# Altium PCB PCB1.PcbDoc (part 2 of 2)
Units mil, origin at the board's own origin, x right, y up, seen from the top; angles counter-clockwise.
Board outline 3937.01 x 1968.5 mil, 4 copper layers (Top Layer, Layer 1, Layer 2, Bottom Layer), stack 63.78 mil thick; 227 components, 132 nets, 1054 pads, 206 vias.
Unrouted connection lines stored in the file: 3.
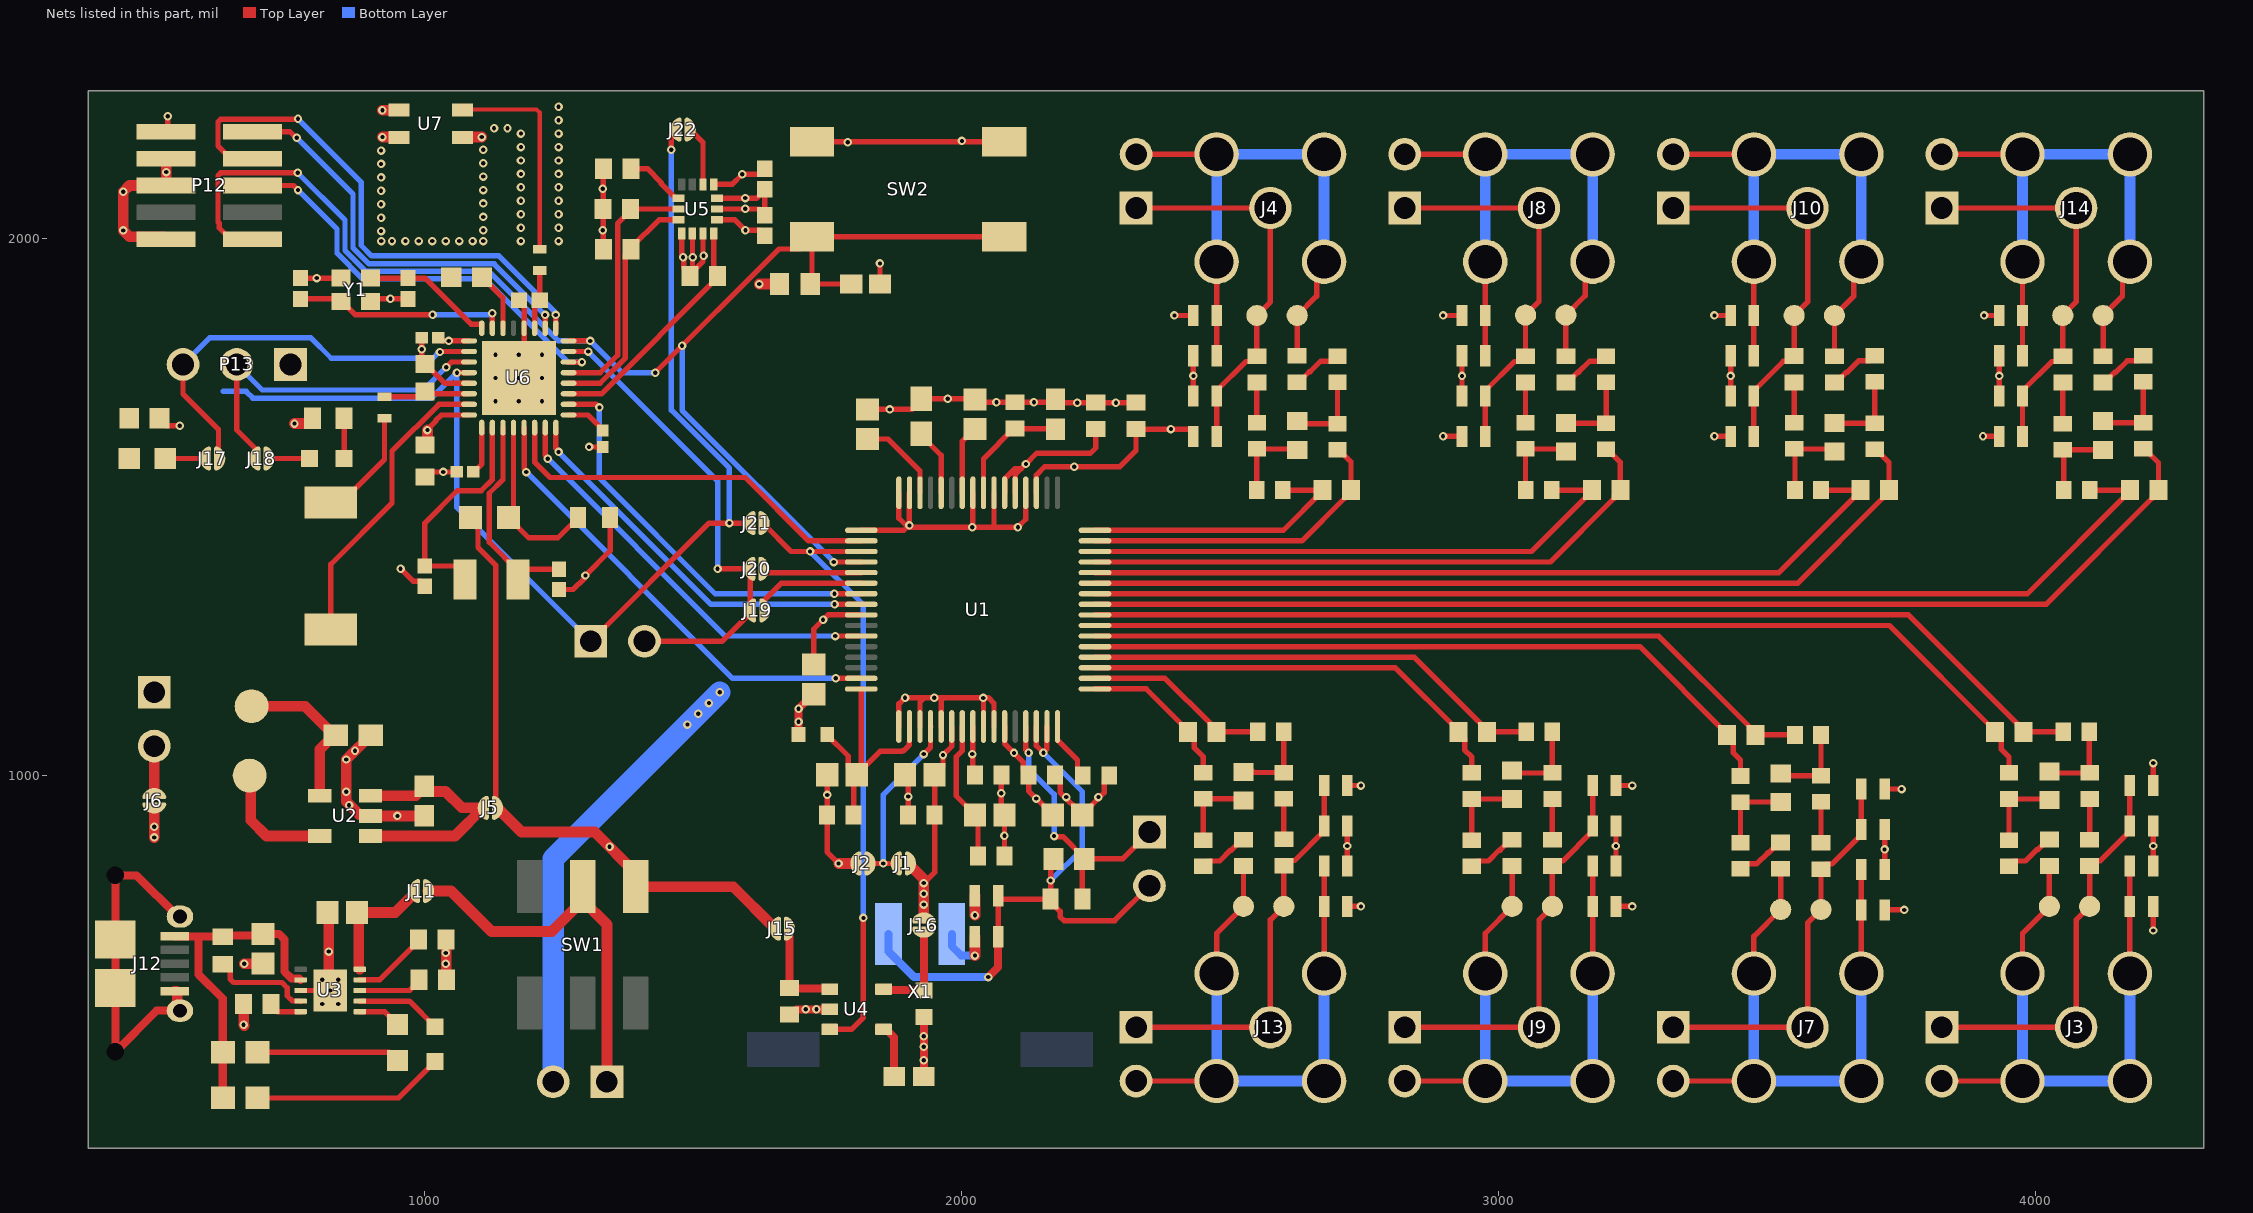
[diagram p4: the nets of this part, all layers, seen from the top]

## Part data (continued)
Y1: library part CMP-06858-000005-1, "CRYSTAL 32.0000MHZ 10PF SMD", Case/Package=SMD/SMT, ESR (Equivalent Series Resistance)=100R, Frequency Stability=10ppm, Load Capacitance=10pF, Max Operating Temperature=70°C, Min Operating Temperature=-20°C, Package Quantity=3000, Contact Plating=Gold, Frequency=32MHz, Frequency Tolerance=10ppm, Height=0.022inch, Length=0.079inch, Mount="Surface Mount", Packaging="Tape and Reel", Series Resistance=100R, Termination=SMD/SMT, Tolerance=10ppm, Width=0.063inch
Y2: library part CMP-40224-000012-1, "CRYSTAL 32.768KHZ 7PF SMD", Load Capacitance=7pF, Manufacturer="ECS Inc.", Manufacturer Part Number=ECS-.327-7-34R-TR, Package=ECX-34R, Temperature="-40°C to +85°C", Temperature Range High=+85°C, Temperature Range Low=-40°C, Tolerance=20ppm, Automotive=No, Category=Crys, ComponentLink2Description=Datasheet, ComponentLink2URL=http://www.ecsxtal.com/store/pdf/ECX_34R.pdf, Device Class L1="Passive Components", Device Class L2="Crystals / Oscillators", Device Class L3=Crystals, Digikey Description="CRYSTAL 32.768KHZ 7PF SMD", Esr=50kΩ, Frequency=32.768kHz, Height=0.9mm, Lead Free=Yes, Mouser Description="Crystals 32.768kHz 7pF 20ppm", Octopart=https://octopart.com/ecs-.327-7-34r-tr-ecs+international-71119730, RoHS=TRUE, Series=ECX-34R

## Via types
v1: diameter 15.75, hole 7.87, Top Layer to Bottom Layer, 197 vias
v2: diameter 19.68, hole 7.87, Top Layer to Bottom Layer, 9 vias

## Nets (pads, with @x,y where several pads share a name; then routed paths per layer and width w, separated by ;. In a path a pad name is that pad's centre, name@x,y a point inside that pad or via, vN(x,y) a via of type N, cw(c..) or ccw(c..) an arc to the next point about the centre after c; other vN are vias at no path point)
AGND: C9.1 C15.1 C16.2 C17.1 C18.2 C19.1 C20.1 C21.2 C42.1 C43.1 C44.1 C45.1 C46.1 C47.1 C48.1 C49.1 C50.1 C51.1 C52.2 C53.2 C54.1 C55.1 C56.2 C57.2 C58.2 C59.1 C60.1 C61.2 C62.2 C63.2 C64.2 C65.1 C66.1 C67.2 C68.1 C69.1 C70.1 C71.2 C72.1 D1.2 D3.2 D4.2 D5.2 D6.2 D11.2 D12.2 D13.2 D14.2 D19.2 D20.2 D21.2 D22.2 D27.2 D28.2 D29.2 D30.2 J2.1 J12.5 J12.Shell P9.2 P12.3 P12.5 P12.9 P13.1 R37.1 R38.1 R39.1 R40.2 R43.2 SW2.3 SW2.4 U1.20 U1.23 U1.25 U1.31 U1.32 U1.33 U1.41 U1.49 U1.51 U1.53 U1.57 U1.58 U2.2 U3.3 U3.11 U4.2 U5.1 U5.2 U5.3 U5.6 U5.7 U6.20 U6.29 U6.33 U7.2 U7.3 U7.4 X1.2 Y1.2 Y1.4 | length 7811.2
  Top Layer w10: C59.1@769.74,1926.02 Y1.4@844.74,1926.02 ; U3.3@769.88,600 v1(825,600) ; Y1.2@899.86,1882.72 904.59,1887.44 C60.1@969.74,1887.44 ; v1(956.02,1385.26) 979.62,1361.66 992.79,1361.66 1001.02,1353.42 C61.2@1001.02,1352.57 ; C70.1@995.32,1815.26 v1(995.32,1793.7) 995.32,1772.15 C68.1@1001.02,1766.44 1002.01,1766.44 1038.03,1730.41 U6.29@1083.5,1730.41 ; C71.2@1001.02,1556.2 1010.08,1565.26 C66.1@1060.67,1565.26 ; v2(1176.02,1740.26) 1185.87,1750.1 U6.20@1185.87,1832.78 1185.87,1875.83 1176.69,1885 C65.1@1176.42,1885 ; C62.2@1251.02,1346.41 1277.18,1346.41 1298.9,1368.13 1298.9,1371.4 1346.02,1418.52 1346.02,1479.78 R43.2@1345.55,1480.26 ; v1(1306.79,1611.79) C69.1@1332.5,1611.79 ; v1@1479.55,1965 U5.1@1479.55,2008.92 ; v1(1481.81,1965) 1482.91,1963.9 1482.91,1945.04 R40.2@1495,1932.95 ; R40.2@1495,1930 R40.2@1495,1932.95 ; U5.2@1499.23,2008.92 R40.2@1499.23,1937.18 ; U5.3@1518.92,2008.92 1518.92,1956.87 R40.2@1499.23,1937.18 ; U5.6@1545,2054.68 1623.44,2054.68 C63.2@1634.07,2044.06 ; U5.7@1545,2074.37 1618.13,2074.37 C64.2@1634.07,2090.31 ; C63.2@1634.07,2043.27 C63.2@1634.07,2044.06 ; C64.2@1634.07,2091.1 C64.2@1634.07,2090.31 ; SW2.4@1721.73,2180 SW2.3@2080,2180 v1@1788.37,2180 ; C50.1@1738.61,1220.22 C50.1@1725,1206.61 1725,1272.5 1751.63,1299.13 U1.41@1813.58,1299.13 ; C48.1@1750,1001.5 v1(1750,964) C49.1@1750,926.5 1750,857.74 v1(1771.37,836.37) ; U1.33@1813.58,1456.61 1892.56,1456.61 v1@1899.22,1463.28 ; C17.1@1825,1681.61 v1(1866.5,1681.61) 1907.99,1681.61 1925,1698.62 C21.2@1925,1701.5 v1(1974.31,1701.5) 2023.62,1701.5 C20.1@2025,1700.12 2030.12,1695 C15.1@2100,1695 v1(2134.87,1695) 2169.73,1695 C16.2@2175,1700.27 2181.05,1694.21 C43.1@2250,1694.21 v1(2287.5,1694.21) C42.1@2325,1694.21 ; C72.1@1848.31,1915 v1(1848.31,1953.31) ; U1.49@1883.46,1091.46 1883.46,1133.46 v1(1895,1145) 1931.25,1145 ; U1.32@1883.46,1526.5 1883.46,1479.04 v1@1899.22,1463.28 ; C46.1@1894.88,1001.5 1900.79,995.59 v1(1900.79,961.04) C47.1@1900.79,926.5 ; U1.31@1903.15,1526.5 v1(1903.15,1465.65) 1901.59,1465.65 v1@1899.22,1463.28 ; U1.51@1922.83,1091.46 1922.83,1136.58 1931.25,1145 ; U1.53@1962.2,1091.46 1962.2,1139.7 1967.5,1145 ; U1.25@2021.26,1526.5 2021.26,1463.76 v1(2020,1462.5) ; U1.57@2040.94,1091.46 2040.94,1144.06 v1@2040,1145 ; U1.58@2060.63,1091.46 2060.63,1134.37 2050,1145 v1@2040,1145 ; U1.23@2060.63,1526.5 2060.63,1464.37 2062.5,1462.5 ; C44.1@2074.21,1001.5 v1(2074.21,966.95) 2074.21,932.4 C19.1@2080.12,926.5 2080,926.38 v1(2080,888.19) C18.2@2080,850 ; U1.20@2119.68,1526.5 2119.68,1477.18 v1(2105,1462.5) 2062.5,1462.5 ; C45.1@2174.21,1001.5 2183.7,992.01 2183.7,968.78 C51.1@2225,927.48 ; C51.1@2225,926.5 C51.1@2225,927.48 ; C9.1@2275,1000 2265.79,990.79 2265.79,968.27 C51.1@2225,927.48 ; D6.2@2431.69,1706.5 v1(2431.69,1744) D5.2@2431.69,1781.5 ; D27.2@2718.31,756.5 v1(2743.5,756.5) ; D28.2@2718.31,981.5 v1(2743.5,981.5) ; D14.2@2931.69,1706.5 v1(2931.69,1744) D13.2@2931.69,1781.5 ; D19.2@3218.31,831.5 v1(3218.31,869) D20.2@3218.31,906.5 ; D22.2@3431.69,1706.5 v1(3431.69,1744) D21.2@3431.69,1781.5 ; D11.2@3718.31,825 v1(3718.31,862.5) D12.2@3718.31,900 ; D30.2@3931.69,1706.5 v1(3931.69,1744) D29.2@3931.69,1781.5 ; D3.2@4218.31,831.5 v1(4218.31,869) D4.2@4218.31,906.5 ; R40.2@1495,1932.95 R40.2@1499.23,1937.18 ; C63.2@1634.07,2044.06 C64.2@1634.07,2090.31 ; v1@1899.22,1463.28 1900,1462.5 v1(2020,1462.5) ; 1931.25,1145 1967.5,1145 ; 1967.5,1145 v1@2040,1145 ; v1(2020,1462.5) 2062.5,1462.5
  Top Layer w15: J12.Shell@545.28,562.4 501.77,562.4 J12.Shell@425,485.63 J12.Shell@425,604.72 J12.Shell@425,695.28 J12.Shell@425,814.37 464.57,814.37 541.34,737.6 J12.Shell@545.28,737.6 ; C56.2@1680,555.39 1682.95,555.39 1692.56,565 v1(1710,565) v1(1730,565) U4.2@1754.8,565 ; C57.2@1930,440 v1(1930,470) v1(1930,495.33) v1(1930,515) C58.2@1930,550.65
  Top Layer w20: P12.9@519.74,1998.52 515.18,2003.09 451.46,2003.09 v1(439.74,2014.81) v1(439.74,2086.81) 451.46,2098.52 P12.5@519.74,2098.52 P12.3@519.74,2148.52 ; J12.5@535.43,598.82 538.23,598.82 540.35,596.69 540.35,567.32 J12.Shell@545.28,562.4 ; R37.1@660,571.18 R37.1@663.82,575 v1(663.82,536.18) v1@665,535 ; v1(665,650) C54.1@700,650 ; C55.1@819.88,745 822.44,742.44 v1(822.44,672.5) 822.44,602.56 v1(825,600) ; C52.2@900,1075 897.13,1075 887.2,1065.08 887.2,1062.2 v1(871.1,1046.1) v1(855,1030) v1(855,970) 855,951.72 878.92,927.8 897.2,927.8 U2.2@900,925 v1(950,925) C53.2@1000,925 ; v1(922.24,2188.52) 952.6,2188.52 U7.3@953.19,2187.93 ; v1(922.24,2238.52) 952.6,2238.52 U7.2@953.19,2239.11 ; R39.1@1040.59,695 1040.89,694.7 1040.89,620.3 R38.1@1041.18,620 ; U7.4@1071.3,2187.93 1071.89,2188.52 v1(1107.24,2188.52) ; P9.2@1240,430 P9.2@1240,441.1 ; v1(1771.37,836.37) 1803.3,836.37 J2.1@1803.43,836.5 ; v1(2025,665) D1.2@2025,700
  Bottom Layer w15: X1.2@1982.03,705.35 1982.03,682.5 1999.53,665 v1(2025,665)
  Bottom Layer w40: P9.2@1240,430 1240,845 v1(1550,1155)
  other v1: 810,575 840,575 810,620 840,620 1040,650 1040,670 860,945 2195,960 2255,960 1490,1095 1510,1115 1530,1135 1949.38,1145 2040.47,1144.53 1742.5,1290 1300,1372.5 1035.37,1565.26 2215.53,1694.21 2065.06,1695 937.17,1887.44 799.74,1926.02 1500,1965 1520,1967.5 920,1995 940,1995 965,1995 990,1995 1015,1995 1040,1995 1065,1995 1090,1995 1110,1995 1180,1995 1250,1995 919.74,2013.52 1110,2015 1180,2020 1250,2020 919.74,2038.52 1110,2040 1180,2045 1250,2045 1597.5,2055 919.74,2063.52 1110,2065 1180,2070 1250,2070 1597.5,2075 919.74,2088.52 1110,2090 1180,2095 1250,2095 919.74,2113.52 1110,2115 1180,2120 1250,2120 519.74,2123.52 919.74,2138.52 1110,2140 1180,2145 1250,2145 919.74,2163.52 1110,2165 1180,2170 1250,2170 1788.37,2178.92 2000.87,2181.42 1180,2195 1250,2195 1130,2205 1155,2205 1250,2220 1250,2245
  other v2: 1132.72,1696.95 1176.02,1696.95 1219.33,1696.95 1132.72,1740.26 1219.33,1740.26 1132.72,1783.56 1176.02,1783.56 1219.33,1783.56
Antenna: L2.2 U7.1 | length 400.6
  Top Layer w8: U7.1@1071.3,2239.11 1072.18,2240 1209.14,2240 1215,2234.14 L2.2@1215,1980
AVCC: C42.2 C43.2 C44.2 C45.2 C46.2 C47.2 C50.2 C51.2 D2.1 D7.1 D8.1 D9.1 D10.1 D15.1 D16.1 D17.1 D18.1 D23.1 D24.1 D25.1 D26.1 D31.1 D32.1 D33.1 D34.1 FB1.2 J1.2 J16.2 U1.19 U1.21 U1.22 U1.54 U1.56 U1.59 | length 2055.9
  Top Layer w10: v1(1930,800) 1950,820 C47.2@1950,926.5 C46.2@1950,1001.5 1965.67,1017.17 v1(1965.67,1038.15) 1981.89,1054.37 U1.54@1981.89,1091.46 ; U1.56@2021.26,1091.46 2021.26,1005.24 C44.2@2025,1001.5 ; U1.59@2080.31,1091.46 2080.31,1059.69 2115.24,1024.76 2115.24,1011.26 C45.2@2125,1001.5 2125,971.38 2153.23,943.15 2154.21,943.15 2169.88,927.48 C51.2@2169.88,926.5 ; U1.22@2080.31,1526.5 2080.31,1551.93 2099.64,1571.25 2111.25,1571.25 ; U1.21@2100,1526.5 2100,1560 2111.25,1571.25 ; U1.19@2139.37,1526.5 2139.37,1559.37 2155,1575 2295,1575 2325,1605 C42.2@2325,1645 2426.85,1645 2431.69,1640.16 D10.1@2431.69,1631.5 ; C43.2@2250,1645 2250,1610 2240,1600 2140,1600 v1(2120,1580) 2111.25,1571.25 ; v1(2396.5,1856.5) D9.1@2431.69,1856.5 ; D31.1@2718.31,831.5 D32.1@2718.31,906.5 ; v1(2896.5,1631.5) D18.1@2931.69,1631.5 ; v1(2896.5,1856.5) D17.1@2931.69,1856.5 ; D23.1@3218.31,756.5 v1(3248.5,756.5) ; D24.1@3218.31,981.5 v1(3248.5,981.5) ; v1(3401.5,1631.5) D26.1@3431.69,1631.5 ; v1(3401.5,1856.5) D25.1@3431.69,1856.5 ; D15.1@3718.31,750 v1(3755,750) ; D16.1@3718.31,975 v1(3750,975) ; v1(3901.5,1631.5) D34.1@3931.69,1631.5 ; v1(3903.5,1856.5) D33.1@3931.69,1856.5 ; v1(4218.31,711.69) D7.1@4218.31,756.5 ; D8.1@4218.31,981.5 v1(4218.31,1023.31)
  Top Layer w15: FB1.2@1696.85,1076.5 v1(1696.85,1124.33) 1724.02,1151.5 C50.2@1725,1151.5
  Top Layer w20: J1.2@1904.8,836.5 1904.8,832.54 1930,807.34 v1(1930,800) v1(1930,780) v1(1930,760) J16.2@1930,735.1 J16.2@1930,735 ; v1(2025,740) D2.1@2025,776.5
  other v1: 2718.31,869 2139.11,957.26 2020,1040 2097.78,1042.22 1696.85,1100.41 2210,1575 2390,1645
INT1: R40.1 U5.4 U6.11 | length 452.2
  Top Layer w10: U6.11@1268.54,1710.73 1329.86,1710.73 1546.18,1927.05 R40.1@1546.18,1930 1538.6,1937.58 U5.4@1538.6,2008.92
INT2: J22.2 U5.9 | length 111.9
  Top Layer w10: J22.2@1495.18,2202.5 1518.92,2178.76 U5.9@1518.92,2100.45
Net*1_1: *1.1 C1.1 D6.1 D10.2 J4.1 P3.1 | length 722.6
  Top Layer w10: P3.1@2325,2056.5 J4.1@2575,2056.5 2575,1881.5 *1.1@2550,1856.5 C1.1@2550,1780.71 2540.24,1770.94 2529.61,1770.94 2475,1716.34 D6.1@2475,1706.5 D10.2@2475,1631.5
Net*7_1: *7.1 C4.1 D5.1 D9.2 J4.2 J4.3 J4.4 J4.5 P3.2 | length 1120.7
  Top Layer w10: P3.2@2325,2156.5 J4.5@2475,2156.5 ; D5.1@2475,1781.5 D9.2@2475,1856.5 J4.2@2475,1956.5 ; C4.1@2625,1781.5 *7.1@2625,1856.5 2661.09,1892.59 2661.09,1942.59 J4.3@2675,1956.5
  Bottom Layer w20: J4.2@2475,1956.5 J4.5@2475,2156.5 J4.4@2675,2156.5 J4.3@2675,1956.5
Net*14_1: *14.1 C5.1 D14.1 D18.2 J8.1 P6.1 | length 722.6
  Top Layer w10: P6.1@2825,2056.5 J8.1@3075,2056.5 3075,1882.28 *14.1@3050,1857.28 C5.1@3050,1780.71 3040.24,1770.94 3029.61,1770.94 2975,1716.34 D14.1@2975,1706.5 D18.2@2975,1631.5
Net*19_1: *19.1 C8.1 D13.1 D17.2 J8.2 J8.3 J8.4 J8.5 P6.2 | length 1121.5
  Top Layer w10: P6.2@2825,2156.5 J8.5@2975,2156.5 ; D13.1@2975,1781.5 D17.2@2975,1856.5 J8.2@2975,1956.5 ; C8.1@3125,1780.71 *19.1@3125,1857.28 3161.09,1893.38 3161.09,1942.59 J8.3@3175,1956.5
  Bottom Layer w20: J8.2@2975,1956.5 J8.5@2975,2156.5 J8.4@3175,2156.5 J8.3@3175,1956.5
Net*20_1: *20.1 C10.1 D22.1 D26.2 J10.1 P8.1 | length 722.4
  Top Layer w10: P8.1@3325,2056.5 J10.1@3575,2056.5 3575,1881.5 *20.1@3550,1856.5 C10.1@3550,1781.1 3540.24,1771.34 3530,1771.34 3475,1716.34 D22.1@3475,1706.5 D26.2@3475,1631.5
Net*21_1: *21.1 C13.1 D21.1 D25.2 J10.2 J10.3 J10.4 J10.5 P8.2 | length 1121.5
  Top Layer w10: P8.2@3325,2156.5 J10.5@3475,2156.5 ; D21.1@3475,1781.5 D25.2@3475,1856.5 J10.2@3475,1956.5 ; C13.1@3625,1780.71 *21.1@3625,1856.5 3661.09,1892.59 3661.09,1942.59 J10.3@3675,1956.5
  Bottom Layer w20: J10.2@3475,1956.5 J10.5@3475,2156.5 J10.4@3675,2156.5 J10.3@3675,1956.5
Net*22_1: *22.1 C22.1 D30.1 D34.2 J14.1 P11.1 | length 722.6
  Top Layer w10: P11.1@3825,2056.5 J14.1@4075,2056.5 4075,1881.5 *22.1@4050,1856.5 C22.1@4050,1780.71 4040.24,1770.94 4029.61,1770.94 3975,1716.34 D30.1@3975,1706.5 D34.2@3975,1631.5
Net*23_1: *23.1 C25.1 D29.1 D33.2 J14.2 J14.3 J14.4 J14.5 P11.2 | length 1121.5
  Top Layer w10: P11.2@3825,2156.5 J14.4@3975,2156.5 ; D29.1@3975,1781.5 D33.2@3975,1856.5 J14.5@3975,1956.5 ; C25.1@4125,1780.71 *23.1@4125,1856.5 4161.09,1892.59 4161.09,1942.59 J14.2@4175,1956.5
  Bottom Layer w20: J14.5@3975,1956.5 J14.4@3975,2156.5 J14.3@4175,2156.5 J14.2@4175,1956.5
Net*24_1: *24.1 C26.1 D4.1 D8.2 J3.1 P2.1 | length 747.2
  Top Layer w10: P2.1@3825,531.5 J3.1@4075,531.5 4075,731.5 *24.1@4100,756.5 C26.1@4100,831.5 4109.76,841.26 4119.61,841.26 4175,896.65 D4.1@4175,906.5 D8.2@4175,981.5
Net*25_1: *25.1 C29.1 D3.1 D7.2 J3.2 J3.3 J3.4 J3.5 P2.2 | length 1171.1
  Top Layer w10: P2.2@3825,431.5 J3.4@3975,431.5 ; J3.3@3975,631.5 3975,706.5 *25.1@4025,756.5 C29.1@4025,831.89 ; J3.2@4175,631.5 D7.2@4175,756.5 D3.1@4175,831.5
  Bottom Layer w20: J3.3@3975,631.5 J3.4@3975,431.5 J3.5@4175,431.5 J3.2@4175,631.5
Net*26_1: *26.1 C30.1 D12.1 D16.2 J7.1 P5.1 | length 741.2
  Top Layer w10: P5.1@3325,531.5 J7.1@3575,531.5 3575,725.79 *26.1@3600,750.79 C30.1@3600,825.79 3609.76,835.55 3620.39,835.55 3675,890.16 D12.1@3675,900 D16.2@3675,975
Net*27_1: *27.1 C33.1 D11.1 D15.2 J7.2 J7.3 J7.4 J7.5 P5.2 | length 1159.3
  Top Layer w10: P5.2@3325,431.5 J7.4@3475,431.5 ; J7.3@3475,631.5 3475,700.79 *27.1@3525,750.79 C33.1@3525,826.57 ; J7.2@3675,631.5 D15.2@3675,750 D11.1@3675,825
  Bottom Layer w20: J7.3@3475,631.5 J7.4@3475,431.5 J7.5@3675,431.5 J7.2@3675,631.5
Net*28_1: *28.1 C34.1 D20.1 D24.2 J9.1 P7.1 | length 747.2
  Top Layer w10: P7.1@2825,531.5 J9.1@3075,531.5 3075,731.5 *28.1@3100,756.5 C34.1@3100,831.5 3109.76,841.26 3119.61,841.26 3175,896.65 D20.1@3175,906.5 D24.2@3175,981.5
Net*29_1: *29.1 C37.1 D19.1 D23.2 J9.2 J9.3 J9.4 J9.5 P7.2 | length 1170.7
  Top Layer w10: P7.2@2825,431.5 J9.4@2975,431.5 ; J9.3@2975,631.5 2975,706.5 *29.1@3025,756.5 C37.1@3025,831.5 ; J9.2@3175,631.5 D23.2@3175,756.5 D19.1@3175,831.5
  Bottom Layer w20: J9.3@2975,631.5 J9.4@2975,431.5 J9.5@3175,431.5 J9.2@3175,631.5
Net*30_1: *30.1 C38.1 D28.1 D32.2 J13.1 P10.1 | length 747.6
  Top Layer w10: P10.1@2325,531.5 J13.1@2575,531.5 2575,731.5 *30.1@2600,756.5 C38.1@2600,832.28 2609.76,842.05 2620.39,842.05 2675,896.65 D32.2@2675,906.5 D28.1@2675,981.5
Net*31_1: *31.1 C41.1 D27.1 D31.2 J13.2 J13.3 J13.4 J13.5 P10.2 | length 1170.7
  Top Layer w10: P10.2@2325,431.5 J13.4@2475,431.5 ; J13.3@2475,631.5 2475,706.5 *31.1@2525,756.5 C41.1@2525,831.5 ; J13.2@2675,631.5 D27.1@2675,756.5 D31.2@2675,831.5
  Bottom Layer w20: J13.3@2475,631.5 J13.4@2475,431.5 J13.5@2675,431.5 J13.2@2675,631.5
NetC1_2: C1.2 R2.2 | length 75
  Top Layer w10: R2.2@2550,1656.5 C1.2@2550,1731.5
NetC2_1: C2.1 R3.1 U1.15 | length 604.4
  Top Layer w10: U1.15@2248.62,1436.93 2633.93,1436.93 2713.27,1516.27 2713.27,1519.76 C2.1@2725,1531.5 2725,1584 2702.5,1606.5 R3.1@2700,1606.5
NetC2_2: C2.2 R1.1 U1.16 | length 528.8
  Top Layer w10: U1.16@2248.62,1456.61 2598.94,1456.61 2671.85,1529.53 C2.2@2671.85,1531.5 R1.1@2598.46,1531.5
NetC3_1: C3.1 R3.2 R4.1 | length 154.3
  Top Layer w10: C3.1@2625,1659.65 2629.69,1654.95 R3.2@2700,1654.95 R4.1@2700,1732.27
NetC3_2: C3.2 R1.2 R2.1 | length 152.2
  Top Layer w10: R1.2@2550,1531.5 R2.1@2550,1608.04 2623.46,1608.04 C3.2@2625,1606.5
NetC4_2: C4.2 R4.2 | length 95.1
  Top Layer w10: C4.2@2625,1732.28 2627.95,1732.28 2647.4,1751.73 2648.93,1751.73 2668.45,1771.25 2690.53,1771.25 R4.2@2700,1780.72
NetC5_2: C5.2 R6.2 | length 75
  Top Layer w10: R6.2@3050,1656.5 C5.2@3050,1731.5
NetC6_1: C6.1 R7.1 U1.13 | length 1123.7
  Top Layer w10: U1.13@2248.62,1397.56 3096.13,1397.56 3214.84,1516.27 3214.84,1519.76 C6.1@3226.57,1531.5 3226.57,1583.19 3202.5,1607.27 R7.1@3200,1607.27
NetC6_2: C6.2 R5.1 U1.14 | length 1048.3
  Top Layer w10: U1.14@2248.62,1417.24 3061.14,1417.24 3173.43,1529.53 C6.2@3173.43,1531.5 R5.1@3098.46,1531.5
NetC7_1: C7.1 R7.2 R8.1 | length 151.9
  Top Layer w10: C7.1@3125,1656.5 3125.77,1655.72 R7.2@3200,1655.72 R8.1@3200,1732.27
NetC7_2: C7.2 R5.2 R6.1 | length 153.5
  Top Layer w10: R5.2@3050,1531.5 R6.1@3050,1608.04 3120.31,1608.04 C7.2@3125,1603.35
NetC8_2: C8.2 R8.2 | length 95.4
  Top Layer w10: C8.2@3125,1731.5 3127.95,1731.5 3147.4,1750.94 3148.93,1750.94 3169.24,1771.25 3190.53,1771.25 R8.2@3200,1780.72
NetC9_2: C9.2 U1.64 | length 110.9
  Top Layer w10: U1.64@2178.74,1091.46 2178.74,1066.26 2216.02,1028.98 2216.02,1009.76 C9.2@2225.79,1000
NetC10_2: C10.2 R10.2 | length 75.4
  Top Layer w10: R10.2@3550,1656.5 C10.2@3550,1731.89
NetC11_1: C11.1 R11.1 U1.11 | length 1640
  Top Layer w10: U1.11@2248.62,1358.19 3556.76,1358.19 3714.84,1516.27 3714.84,1519.76 C11.1@3726.57,1531.5 3726.57,1583.19 3702.5,1607.27 R11.1@3700,1607.27
NetC11_2: C11.2 R9.1 U1.12 | length 1563
  Top Layer w10: U1.12@2248.62,1377.87 3521.77,1377.87 3673.43,1529.53 C11.2@3673.43,1531.5 R9.1@3600,1531.5
NetC12_1: C12.1 R11.2 R12.1 | length 152.6
  Top Layer w10: C12.1@3625,1656.5 3625.77,1655.72 R11.2@3700,1655.72 R12.1@3700,1733.04
NetC12_2: C12.2 R9.2 R10.1 | length 154.1
  Top Layer w10: R9.2@3551.54,1531.5 3551.54,1606.5 R10.1@3550,1608.04 3620.31,1608.04 C12.2@3625,1603.35
NetC13_2: C13.2 R12.2 | length 95.7
  Top Layer w10: C13.2@3625,1731.5 3627.95,1731.5 3647.4,1750.94 3648.93,1750.94 3670.01,1772.03 3690.53,1772.03 R12.2@3700,1781.5
NetC14_1: C14.1 D1.1 D2.2 P1.2 R13.1 U1.62 U1.63 X1.1 | length 1202.3
  Top Layer w10: D1.1@2068.31,700 D2.2@2068.31,776.5 ; D2.2@2073.15,770 R13.1@2165.94,770 ; U1.62@2139.37,1091.46 2139.45,1091.38 2139.45,1055.55 v1(2152.5,1042.5) 2159.06,1049.06 U1.63@2159.06,1091.46 ; C14.1@2171.46,845 2165.94,839.49 v1(2165.94,804.74) R13.1@2165.94,770 ; P1.2@2350,795 2285,730 2190.86,730 2183.79,737.07 2183.79,747.24 2165.94,765.08 R13.1@2165.94,770
  Top Layer w15: v1(2050,625) 2068.31,643.31 D1.1@2068.31,700
  Bottom Layer w10: v1(2152.5,1042.5) 2225,970 2225,863.8 v1(2165.94,804.74)
  Bottom Layer w15: X1.1@1863.92,705.35 1863.92,672.87 1911.79,625 v1(2050,625)
NetC14_2: C14.2 P1.1 R13.2 U1.61 | length 519.3
  Top Layer w10: U1.61@2119.68,1091.46 2119.68,1047.82 v1(2125,1042.5) ; v1(2172.5,887.5) 2173.6,886.4 2189.11,886.4 2228.54,846.97 C14.2@2228.54,845 ; R13.2@2225,770 2225,841.46 C14.2@2228.54,845 ; P1.1@2350,895 2300,845 C14.2@2228.54,845
  Bottom Layer w10: v1(2125,1042.5) 2125,1012.5 2172.5,965 v1(2172.5,887.5)
NetC15_2: C15.2 C16.1 U1.24 | length 220.8
  Top Layer w10: U1.24@2040.94,1526.5 2040.94,1589.68 2097.05,1645.79 C15.2@2100,1645.79 2174.21,1645.79 C16.1@2175,1645
NetC17_2: C17.2 U1.30 | length 163.1
  Top Layer w10: C17.2@1825,1626.5 1863.5,1626.5 1922.83,1567.17 U1.30@1922.83,1526.5
NetC18_1: C18.1 C19.2 U1.55 | length 263.1
  Top Layer w10: U1.55@2001.57,1091.46 2001.57,1046.57 1990,1035 1990,962.48 2025,927.48 C19.2@2025,926.5 2030.79,920.71 C18.1@2030.79,850
NetC20_2: C20.2 U1.26 | length 128.8
  Top Layer w10: U1.26@2001.57,1526.5 2001.57,1622.56 2024.02,1645 C20.2@2025,1645
NetC21_1: C21.1 U1.28 | length 125.3
  Top Layer w10: C21.1@1925,1636.38 1925,1633.5 1962.2,1596.3 U1.28@1962.2,1526.5
NetC22_2: C22.2 R15.2 | length 76.5
  Top Layer w10: R15.2@4050,1654.95 C22.2@4050,1731.5
NetC23_1: C23.1 R16.1 U1.9 | length 2159.3
  Top Layer w10: U1.9@2248.62,1318.82 4018.97,1318.82 4216.42,1516.27 4216.42,1519.76 C23.1@4228.15,1531.5 4228.15,1582.39 4202.5,1608.04 R16.1@4200,1608.04
NetC23_2: C23.2 R14.1 U1.10 | length 2082.5
  Top Layer w10: U1.10@2248.62,1338.5 3983.98,1338.5 4175,1529.53 C23.2@4175,1531.5 R14.1@4100,1531.5
NetC24_1: C24.1 R16.2 R17.1 | length 152.8
  Top Layer w10: C24.1@4125,1659.65 4128.15,1656.5 R16.2@4200,1656.5 R17.1@4200,1733.04
NetC24_2: C24.2 R14.2 R15.1 | length 150.6
  Top Layer w10: R14.2@4051.54,1531.5 4051.54,1604.95 R15.1@4050,1606.5 C24.2@4125,1606.5
NetC25_2: C25.2 R17.2 | length 95.7
  Top Layer w10: C25.2@4125,1731.5 4127.95,1731.5 4147.4,1750.94 4148.93,1750.94 4170.01,1772.03 4190.53,1772.03 R17.2@4200,1781.5
NetC26_2: C26.2 R19.2 | length 75.8
  Top Layer w10: C26.2@4100,880.71 R19.2@4100,956.5
NetC27_1: C27.1 R20.1 U1.7 | length 1845.5
  Top Layer w10: U1.7@2248.62,1279.45 3727.44,1279.45 3923.43,1083.46 C27.1@3923.43,1081.5 3935.16,1069.76 3935.16,1049.26 3950,1034.42 R20.1@3950,1004.95
NetC27_2: C27.2 R18.1 U1.8 | length 1894.3
  Top Layer w10: U1.8@2248.62,1299.13 3762.43,1299.13 3964.84,1096.72 3964.84,1093.23 C27.2@3976.57,1081.5 R18.1@4050.77,1081.5
NetC28_1: C28.1 R20.2 R21.1 | length 152.2
  Top Layer w10: R21.1@3950,879.95 R20.2@3950,956.5 4023.43,956.5 C28.1@4025,954.92
NetC28_2: C28.2 R18.2 R19.1 | length 153.2
  Top Layer w10: C28.2@4025,1008.07 4028.12,1004.95 R19.1@4100,1004.95 4099.23,1005.72 R18.2@4099.23,1081.5
NetC29_2: C29.2 R21.2 | length 95.5
  Top Layer w10: R21.2@3950,831.5 3959.47,840.97 3980.38,840.97 4001.07,861.65 4002.6,861.65 4022.05,881.1 C29.2@4025,881.1
NetC30_2: C30.2 R23.2 | length 76.6
  Top Layer w10: C30.2@3600,875 R23.2@3600,951.56
NetC31_1: C31.1 R24.1 U1.5 | length 1332.5
  Top Layer w10: U1.5@2248.62,1240.08 3262.68,1240.08 3425,1077.76 C31.1@3425,1075.79 3436.73,1064.06 3436.73,1042.03 3450,1028.77 R24.1@3450,999.24
NetC31_2: C31.2 R22.1 U1.6 | length 1381.2
  Top Layer w10: U1.6@2248.62,1259.76 3297.67,1259.76 3466.42,1091.02 3466.42,1087.52 C31.2@3478.15,1075.79 R22.1@3551.54,1075.79
NetC32_1: C32.1 R24.2 R25.1 | length 150.8
  Top Layer w10: R25.1@3450,875.02 R24.2@3450,950.79 C32.1@3525,950.79
NetC32_2: C32.2 R22.2 R23.1 | length 152.4
  Top Layer w10: C32.2@3525,1003.94 3528.92,1000.02 R23.1@3600,1000.02 R22.2@3600,1075.79
NetC33_2: C33.2 R25.2 | length 95.4
  Top Layer w10: R25.2@3450,826.56 3459.47,836.03 3480.76,836.03 3501.07,856.34 3502.6,856.34 3522.05,875.79 C33.2@3525,875.79
NetC34_2: C34.2 R27.2 | length 75.8
  Top Layer w10: C34.2@3100,880.71 R27.2@3100,956.5
NetC35_1: C35.1 R28.1 U1.3 | length 816.3
  Top Layer w10: U1.3@2248.62,1200.71 2807.76,1200.71 2925,1083.46 C35.1@2925,1081.5 2936.73,1069.76 2936.73,1047.74 2950,1034.47 R28.1@2950,1004.95 R28.1@2947.5,1004.95
NetC35_2: C35.2 R26.1 U1.4 | length 862.5
  Top Layer w10: U1.4@2248.62,1220.39 2842.75,1220.39 2966.42,1096.72 2966.42,1093.23 C35.2@2978.15,1081.5 R26.1@3051.54,1081.5
NetC36_1: C36.1 R28.2 R29.1 | length 151.5
  Top Layer w10: R29.1@2950,879.95 R28.2@2950,956.5 C36.1@3025,956.5
NetC36_2: C36.2 R26.2 R27.1 | length 153.5
  Top Layer w10: C36.2@3025,1009.65 3029.69,1004.95 R27.1@3100,1004.95 R26.2@3100,1081.5
NetC37_2: C37.2 R29.2 | length 95.4
  Top Layer w10: R29.2@2950,831.5 2959.47,840.97 2980.78,840.97 3001.07,861.26 3002.6,861.26 3022.05,880.71 C37.2@3025,880.71
NetC38_2: C38.2 R31.2 | length 75.8
  Top Layer w10: C38.2@2600,881.5 R31.2@2600,957.27
NetC39_1: C39.1 R32.1 U1.1 | length 294.9
  Top Layer w10: U1.1@2248.62,1161.34 2343.98,1161.34 2421.85,1083.46 C39.1@2421.85,1081.5 2433.58,1069.76 2433.58,1051.61 2450,1035.19 R32.1@2450,1005.72
NetC39_2: C39.2 R30.1 U1.2 | length 346.2
  Top Layer w10: U1.2@2248.62,1181.02 2378.97,1181.02 2463.27,1096.72 2463.27,1093.23 C39.2@2475,1081.5 R30.1@2551.54,1081.5
NetC40_1: C40.1 R32.2 R33.1 | length 153.9
  Top Layer w10: R33.1@2450,879.95 R32.2@2450,957.27 2521.08,957.27 C40.1@2525,953.35
NetC40_2: C40.2 R30.2 R31.1 | length 155.3
  Top Layer w10: C40.2@2525,1006.5 2530.11,1011.61 2538.39,1011.61 2544.28,1005.72 R31.1@2600,1005.72 R30.2@2600,1081.5
NetC41_2: C41.2 R33.2 | length 95.4
  Top Layer w10: R33.2@2450,831.5 2459.47,840.97 2480.78,840.97 2501.07,861.26 2502.6,861.26 2522.05,880.71 C41.2@2525,880.71
NetC48_2: C48.2 C49.2 FB1.1 U1.48 U1.50 | length 451.5
  Top Layer w10: FB1.1@1750,1076.5 1750,1075.51 1789.45,1036.06 1789.45,1017.17 C48.2@1805.12,1001.5 ; C49.2@1799.21,926.5 1799.21,995.59 C48.2@1805.12,1001.5 ; U1.48@1813.58,1161.34 C48.2@1813.58,1010.94 ; U1.50@1902.91,1061.55 1902.91,1057.14 1891.72,1045.94 1890,1045.94 1889.06,1045 1848.62,1045 1821.77,1018.15 1820.79,1018.15 C48.2@1813.58,1010.94 ; C48.2@1805.12,1001.5 1813.58,1009.96 C48.2@1813.58,1010.94
NetC52_1: C52.1 J6.2 L1.2 P4.2 U2.4 | length 391.7
  Top Layer w20: J6.2@497.5,965.49 J6.2@497.5,965.79 J6.2@497.5,965.98 J6.2@497.5,966.18 J6.2@497.5,966.38 J6.2@497.5,966.48 P4.2@497.5,1055 ; L1.2@678.69,1129.18 777.83,1129.18 C52.1@832.01,1075 ; U2.4@805.51,962.4 805.51,1048.5 C52.1@832.01,1075 ; C52.1@834.88,1075 C52.1@832.01,1075
NetC53_1: C53.1 J5.2 U2.1 U2.3 | length 465.8
  Top Layer w20: U2.1@900,887.6 1057.42,887.6 J5.2@1109.82,940 1070.16,940 1039.74,970.41 1007.96,970.41 C53.1@1000,978.37 ; U2.3@900,962.4 984.03,962.4 C53.1@1000,978.37 ; C53.1@1000,980.27 C53.1@1000,978.37
NetC55_2: C55.2 J11.2 U3.10 | length 234
  Top Layer w15: J11.2@983.44,785.25 J11.2@983.68,785
  Top Layer w20: U3.10@880.12,639.37 878.31,641.18 878.31,741.69 C55.2@875,745 945.94,745 982.01,781.06 J11.2@982.01,785
NetC56_1: C56.1 J15.1 U4.1 | length 186.4
  Top Layer w15: J15.1@1679.31,715 1679.66,714.66 1679.66,604.95 C56.1@1680,604.61 1681.1,603.5 1753.7,603.5 U4.1@1754.8,602.4
NetC57_1: C57.1 U4.4 | length 98.6
  Top Layer w15: U4.4@1855.2,527.6 1860.12,527.6 1874.73,512.98 C57.1@1874.73,440
NetC58_1: C58.1 J16.1 U4.5 | length 184.4
  Top Layer w15: U4.5@1855.2,602.4 1856.4,601.2 1928.8,601.2 C58.1@1930,600 J16.1@1930,708.52 J16.1@1930,708.62
NetC59_2: C59.2 U6.23 Y1.1 | length 398.3
  Top Layer w10: C59.2@769.74,1887.44 840.02,1887.44 Y1.1@844.74,1882.72 846.71,1882.72 871.4,1858.03 v1(1015.53,1858.03) ; U6.23@1126.81,1832.78 v1(1126.81,1860.69)
  Bottom Layer w10: v1(1015.53,1858.03) 1122.6,1858.03 1125.26,1860.69 v1(1126.81,1860.69)
NetC60_2: C60.2 U6.24 Y1.3 | length 250.2
  Top Layer w10: Y1.3@899.86,1926.02 C60.2@969.74,1926.02 1001.24,1926.02 1087.05,1840.22 1107.05,1840.22 1107.13,1840.14 U6.24@1107.13,1832.78
NetC61_1: C61.1 U6.2 Y2.1 | length 426.2
  Top Layer w10: Y2.1@1076.02,1365.26 1076.02,1373.6 1059.37,1390.26 C61.1@1001.02,1390.26 1001.02,1470.26 1061.02,1530.26 1106.02,1530.26 1126.81,1551.04 U6.2@1126.81,1647.74
NetC62_1: C62.1 U6.3 Y2.2 | length 398.6
  Top Layer w10: U6.3@1146.5,1647.74 1146.5,1551.02 1121.02,1525.55 1121.02,1434.43 1174.45,1381 Y2.2@1174.45,1367.44 ; Y2.2@1174.45,1365.26 Y2.2@1174.45,1367.44 ; C62.1@1251.02,1384.1 1191.1,1384.1 Y2.2@1174.45,1367.44
NetC65_2: C65.2 L2.1 U6.19 | length 111.5
  Top Layer w10: U6.19@1205.55,1832.78 1205.55,1875.83 1214.72,1885 C65.2@1215,1885 L2.1@1215,1940.24
NetC66_2: C66.2 U6.1 | length 89.5
  Top Layer w10: C66.2@1091.38,1565.26 1092.17,1565.26 1107.13,1580.22 U6.1@1107.13,1647.74
NetC67_1: C67.1 U6.22 | length 111.4
  Top Layer w10: C67.1@1107.5,1927.5 1108.42,1927.5 1146.5,1889.42 U6.22@1146.5,1832.78
NetC68_2: C68.2 L3.2 U6.30 | length 163.6
  Top Layer w10: L3.2@926.02,1705.02 990.79,1705.02 C68.2@1001.02,1715.26 1005.55,1710.73 U6.30@1083.5,1710.73
NetC72_2: C72.2 P12.10 R46.1 SW2.1 SW2.2 U1.36 U6.16 | length 2703.2
  Top Layer w10: P12.10@679.98,1998.52 639.63,1998.52 618.33,2019.82 618.33,2028.04 616.12,2030.25 616.12,2116.79 621.36,2122.03 v1(764.53,2122.03) ; U6.16@1268.54,1809.15 v1(1309.15,1809.15) ; v1(1430,1750) 1660.28,1980.28 1699.17,1980.28 SW2.2@1721.73,2002.83 ; v1(1762.44,1397.56) U1.36@1813.58,1397.56 ; C72.2@1795,1915 R46.1@1718.54,1915 1721.73,1918.19 SW2.2@1721.73,2002.83 ; SW2.1@2080,2002.83 SW2.2@1721.73,2002.83
  Bottom Layer w10: v1(764.53,2122.03) 852.5,2034.06 852.5,1977.5 891.44,1938.56 1120.16,1938.56 1249.57,1809.15 v1(1309.15,1809.15) 1368.31,1750 v1(1430,1750) ; v1(1480,1800) 1480,1680 v1(1762.44,1397.56)
NetDS1_1: DS1.1 R35.1 | length 267
  Top Layer w10: R35.1@689.2,485.03 934.97,485.03 DS1.1@950,470
NetDS1_2: DS1.2 U3.6 | length 79.7
  Top Layer w10: U3.6@880.12,560.63 926.3,560.63 DS1.2@950,536.93
NetDS2_1: DS2.1 R34.1 | length 358.8
  Top Layer w10: R34.1@689.2,400 952.48,400 DS2.1@1020,467.52
NetDS2_2: DS2.2 U3.7 | length 159.8
  Top Layer w10: U3.7@880.2,580.39 U3.7@880.12,580.32 972.17,580.32 DS2.2@1020,532.48
NetDS3_1: DS3.1 R44.2
NetDS3_2: DS3.2 J17.2 | length 77.4
  Top Layer w10: DS3.2@517.95,1590.26 J17.2@592.86,1590.26 J17.2@592.95,1590.26 J17.2@593.15,1590.26 J17.2@593.35,1590.26 J17.2@593.54,1590.26 J17.2@593.84,1590.26 J17.2@594.04,1590.26 J17.2@594.33,1590.26 J17.2@594.82,1590.26 J17.2@595.32,1590.26
NetDS4_1: DS4.1 R45.2 | length 75
  Top Layer w10: DS4.1@851.02,1590.26 R45.2@851.02,1665.26
NetDS4_2: DS4.2 J18.2 | length 74.9
  Top Layer w10: J18.2@711.16,1590.26 DS4.2@786.06,1590.26
NetJ1_1: J1.1 J2.2 U1.52 | length 345.3
  Top Layer w10: J2.2@1825.08,836.5 J2.2@1825.57,836.5 J2.2@1826.06,836.5 J2.2@1826.56,836.5 J2.2@1827.05,836.5 J2.2@1827.54,836.5 J2.2@1828.03,836.5 J2.2@1828.52,836.5 J2.2@1828.82,836.5 J2.2@1829.02,836.5 J2.2@1829.31,836.5 J2.2@1829.51,836.5 J2.2@1829.7,836.5 J2.2@1829.9,836.5 J2.2@1830,836.5 v1(1854.26,836.5) J1.1@1878.52,836.5 J1.1@1878.62,836.5 J1.1@1878.82,836.5 ; v1(1930,1040) 1942.44,1052.44 1942.44,1091.38 U1.52@1942.52,1091.46
  Bottom Layer w10: v1(1854.26,836.5) 1854.26,964.26 v1(1930,1040)
NetJ11_1: J11.1 P9.1 SW1.2 | length 753.1
  Top Layer w15: J11.1@1004.35,785 J11.1@1004.84,785 J11.1@1005.33,785 J11.1@1005.83,785 J11.1@1006.32,785 J11.1@1006.81,785
  Top Layer w20: J11.1@1006.81,785 J11.1@1007.11,785 J11.1@1007.3,785 J11.1@1007.6,785 J11.1@1007.8,785 J11.1@1007.99,785 J11.1@1008.19,785 J11.1@1008.29,785 1050,785 1125,710 1237.32,710 SW1.2@1295,767.68 ; SW1.2@1295,818.86 SW1.2@1295,793.27 SW1.2@1295,767.68 ; P9.1@1340,430 1340,722.68 SW1.2@1295,767.68
NetJ17_1: J17.1 P13.3 U6.26 | length 776.6
  Top Layer w10: P13.3@551.02,1765.26 551.02,1710.32 616.97,1644.38 J17.1@616.97,1590.26 ; v1(1029.28,1788.51) 1030.16,1789.39 1083.43,1789.39 U6.26@1083.5,1789.47
  Bottom Layer w10: P13.3@551.02,1765.26 601.02,1815.26 788.52,1815.26 826.89,1776.89 1016.1,1776.89 1027.72,1788.51 v1(1029.28,1788.51)
NetJ18_1: J18.1 P13.2 U6.27 | length 664.4
  Top Layer w10: P13.2@651.02,1765.26 651.02,1643.64 689.02,1605.65 J18.1@689.02,1590.26 ; v1(1041.02,1760.26) 1050.55,1769.78 U6.27@1083.5,1769.78
  Bottom Layer w10: P13.2@651.02,1765.26 698.52,1717.76 998.52,1717.76 v1(1041.02,1760.26)
NetJ19_2: J19.2 U1.38 | length 214
  Top Layer w10: J19.2@1629.55,1307.5 1629.55,1322.89 1664.84,1358.19 U1.38@1813.58,1358.19
NetJ20_2: J20.2 U1.37 | length 184.7
  Top Layer w10: J20.2@1631.52,1385 J20.2@1631.81,1385.3 ; J20.2@1632.4,1385 J20.2@1632.5,1385 1633.07,1385 1640.2,1377.87 U1.37@1813.58,1377.87 U1.37@1813.5,1377.8
NetJ21_2: J21.2 U1.35 U4.3 | length 1199.9
  Top Layer w10: J21.2@1628.17,1454.61 J21.2@1628.17,1470 ; J21.2@1632.5,1470 1632.5,1467.83 1683.09,1417.24 v1(1718.31,1417.24) U1.35@1813.58,1417.24 ; U4.3@1754.8,527.6 1795.1,527.6 1817.5,550 v1(1817.5,735)
  Bottom Layer w10: v1(1718.31,1417.24) 1817.5,1318.05 v1(1817.5,735)
NetL1_1: L1.1 U2.5 | length 224.6
  Top Layer w20: L1.1@675,1000 676.85,998.15 676.85,916.95 706.2,887.6 U2.5@805.51,887.6
NetL3_1: L3.1 L4.2 | length 214.8
  Top Layer w10: L4.2@826.02,1508.37 845.71,1508.37 926.02,1588.68 L3.1@926.02,1665.26 L3.1@930.95,1665.26
NetL4_1: L4.1 U6.31 | length 558.6
  Top Layer w10: L4.1@826.02,1272.15 826.02,1393.32 939.96,1507.26 939.96,1603.9 1027.1,1691.04 U6.31@1083.5,1691.04
NetP12_2: P12.2 U6.18 | length 769.7
  Top Layer w10: P12.2@679.98,2198.52 749.92,2198.52 760.94,2187.5 v1(762.5,2187.5) ; v1(1225,1857.5) 1225.24,1857.26 U6.18@1225.24,1832.78
  Bottom Layer w10: v1(762.5,2187.5) 867.5,2082.5 867.5,1982.5 897.5,1952.5 1130,1952.5 v1(1225,1857.5)
NetP12_4: P12.4 U6.17 | length 994.5
  Top Layer w10: P12.4@679.98,2148.52 639.63,2148.52 616.12,2172.03 616.12,2216.79 621.36,2222.03 v1@762.97,2222.03 ; U6.17@1244.92,1832.78 1244.92,1857.42 v1(1245,1857.5)
  Bottom Layer w10: v1(765,2222.5) 882.5,2105 882.5,1987.21 902.21,1967.5 1138.77,1967.5 1241.81,1864.46 1241.81,1862.24 1245,1859.06 v1(1245,1857.5)
NetR36_1: R36.1 U3.4 | length 191.9
  Top Layer w10: R36.1@625,648.82 627.95,648.82 638.7,638.07 638.7,621.3 645,615 735,615 745,605 745,590 754.61,580.39 769.8,580.39 U3.4@769.88,580.32
NetR37_2: R37.2 U3.5 | length 62.6
  Top Layer w10: R37.2@715,575 715,572.05 726.42,560.63 U3.5@769.88,560.63
NetR38_2: R38.2 U3.8 | length 119.9
  Top Layer w10: U3.8@880.12,600 972.95,600 990,617.05 R38.2@990,620
NetR39_2: R39.2 U3.9 | length 142.2
  Top Layer w10: U3.9@880.12,619.68 917.05,619.68 989.41,692.05 R39.2@989.41,695
NetR41_2: R41.2 U5.12 | length 112.6
  Top Layer w10: R41.2@1384.67,2129.68 1415.41,2129.68 1441.12,2103.98 1441.12,2101.97 1468.72,2074.37 U5.12@1473.15,2074.37
NetR42_1: R42.1 R43.1 U6.4 | length 334.9
  Top Layer w10: U6.4@1166.18,1647.74 1166.18,1489.55 R42.1@1156.89,1480.26 1194.39,1442.76 1249,1442.76 1271.81,1465.57 1276.73,1465.57 1286.5,1475.33 R43.1@1286.5,1480.26
NetU1_34: U1.34 U6.6 | length 733
  Top Layer w10: U6.6@1205.55,1647.74 1205.55,1583.5 1234.06,1555 1597.5,1555 1715.57,1436.93 U1.34@1813.58,1436.93
NetU1_39: U1.39 U6.10 | length 768
  Top Layer w10: U6.10@1268.54,1691.04 1320.24,1691.04 v1(1326.02,1685.26) ; v1(1763.5,1338.5) U1.39@1813.58,1338.5
  Bottom Layer w10: v1(1326.02,1685.26) 1326.02,1553.98 1541.5,1338.5 v1(1763.5,1338.5)
NetU1_40: U1.40 U6.8 | length 728.4
  Top Layer w10: U6.8@1244.92,1647.74 1244.92,1609.13 1250,1604.06 v1(1250,1602.5) ; v1(1763.82,1318.82) U1.40@1813.58,1318.82
  Bottom Layer w10: v1(1250,1602.5) 1533.68,1318.82 v1(1763.82,1318.82)
NetU1_43: U1.43 U6.7 | length 780.1
  Top Layer w10: U6.7@1225.24,1647.74 1225.24,1596.32 1230,1591.56 v1(1230,1590) ; v1(1765.24,1259.76) U1.43@1813.58,1259.76
  Bottom Layer w10: v1(1230,1590) 1560.24,1259.76 v1(1765.24,1259.76)
NetU1_47: U1.47 U6.5 | length 867.1
  Top Layer w10: U6.5@1185.87,1647.74 1185.87,1570.69 1190,1566.56 v1(1190,1565) ; v1(1766.02,1181.02) U1.47@1813.58,1181.02
  Bottom Layer w10: v1(1190,1565) 1573.98,1181.02 v1(1766.02,1181.02)
PwrDown_int2_aux2: J21.1 J22.1 P14.1 U6.28 | length 2253.5
  Top Layer w10: v1(1060.79,1750.02) 1083.43,1750.02 U6.28@1083.5,1750.1 ; P14.1@1310,1250 1530,1470 v1(1568.01,1470) J21.1@1606.02,1470 ; v1(1460,2165) 1460,2191.01 1468.6,2199.61 J22.1@1468.6,2202.5
  Bottom Layer w10: 626.02,1715.26 668.52,1715.26 681.02,1702.76 1013.52,1702.76 v1(1060.79,1750.02) 1060.79,1499.21 P14.1@1310,1250 ; v1(1460,2165) 1460,1680.29 1568.01,1572.28 v1(1568.01,1470)
SCL: R47.2 U5.13 U6.13 | length 476.1
  Top Layer w10: U6.13@1268.54,1750.1 1327.6,1750.1 1360,1782.5 1360,2027.66 1384.07,2051.73 R47.2@1384.07,2054.68 U5.13@1473.15,2054.68
SDA: R48.1 U5.14 U6.12 | length 444.8
  Top Layer w10: U6.12@1268.54,1730.41 1327.62,1730.41 1374.51,1777.3 1374.51,1968.94 R48.1@1385.26,1979.68 1385.26,1982.64 1437.62,2035 U5.14@1473.15,2035
Start_clk_aux1: J19.1 J20.1 P14.2 U6.15 | length 904.7
  Top Layer w10: U6.15@1268.54,1789.47 1268.61,1789.4 1305.13,1789.4 v1(1305.2,1789.33) ; P14.2@1410,1250 1554.33,1250 J19.1@1611.83,1307.5 ; v1(1546.06,1384.87) v1(1546.06,1384.87) 1605.86,1384.93 J20.1@1605.93,1385 J20.1@1606.02,1385 1606.76,1384.26 1606.76,1308.24 J19.1@1607.5,1307.5
  Bottom Layer w10: v1(1305.2,1789.33) 1546.06,1548.47 v1(1546.06,1384.87)
SWO: P12.6 U6.14 | length 801.2
  Top Layer w10: P12.6@679.98,2098.52 756.48,2098.52 v1(765,2090) ; U6.14@1268.54,1769.78 1268.61,1769.72 1293.49,1769.72 v1(1293.56,1769.65)
  Bottom Layer w10: v1(765,2090) 837.5,2017.5 837.5,1972.5 885.37,1924.63 1112.87,1924.63 1267.85,1769.65 v1(1293.56,1769.65)
VBAT: J5.1 J15.2 R42.2 SW1.1 | length 1212.3
  Top Layer w10: R42.2@1069.37,1463.6 R42.2@1086.02,1480.26 1100,1466.28 1100,1425 1132.95,1392.05 J5.1@1132.95,940
  Top Layer w20: J5.1@1136.1,940 1136.1,936.08 1136.14,936.05 1140.05,936.05 1181.1,895 1317.28,895 1393.43,818.86 SW1.1@1393.43,793.27 1575.26,793.27 1651.27,717.26 1653.31,717.26 1653.52,717.04 J15.2@1653.52,715
  other v1: 1345,867.5
VuC: C63.1 C64.1 C69.2 C70.2 C71.1 J6.1 P4.1 P12.1 R41.1 R44.1 R45.1 R46.2 R47.1 R48.2 U5.5 U5.8 U6.9 U6.25 U6.32 | length 834.3
  Top Layer w10: R44.1@507.35,1665.26 507.35,1664.72 520.76,1651.32 v1(544.96,1651.32) ; P12.1@519.74,2198.52 512.5,2205.77 520.18,2205.77 522.5,2208.09 v1(522.5,2227.5) ; v1(1006.02,1643.18) 1006.02,1644.01 1021.27,1659.26 1021.27,1660.71 1031.92,1671.36 U6.32@1083.5,1671.36 ; C70.2@1026.02,1815.26 1026.81,1815.26 1032.91,1809.15 U6.25@1083.5,1809.15 ; U6.9@1268.54,1671.36 1304.43,1671.36 1332.5,1643.29 C69.2@1332.5,1642.5 ; R41.1@1333.48,2129.68 1333.48,1980.28 R48.2@1334.07,1979.68 ; U5.8@1538.6,2100.45 1573.06,2100.45 v1(1591.94,2119.33) 1624.51,2119.33 1634.07,2128.9 C64.1@1634.07,2129.68 ; U5.5@1545,2035 1577.93,2035 v1(1597.89,2015.04) 1624.51,2015.04 1634.07,2005.47 C63.1@1634.07,2004.68
  Top Layer w20: v1(497.5,885) J6.1@497.5,939.9 ; v1(758.52,1655.26) 758.84,1655.57 786.22,1655.57 791.97,1661.32 R45.1@791.97,1665.26 ; C71.1@1001.02,1615.26 1006.02,1620.26 v1(1006.02,1643.18) ; v1(1623.54,1915) R46.2@1661.46,1915
  other v1: 497.5,905 1045.56,1809.15 1332.5,2015 1332.5,2092.5
VUSB: C54.2 J12.1 R34.2 R35.2 R36.2 U3.2 | length 627
  Top Layer w15: J12.1@535.43,701.18 535.81,700.81 580,700.81 ; R34.2@625,400 R35.2@625,485.03 625,585 580,630 580,700.81 ; U3.2@769.88,619.68 767.3,622.26 752.74,622.26 740,635 740,695 730,705 700.12,705 C54.2@700,705.12 697.44,702.56 627.56,702.56 R36.2@625,700 624.19,700.81 580,700.81
pads on no net: J12.2 J12.3 J12.4 P12.7 P12.8 SW1.3 SW1.4 SW1.5 SW1.6 U1.17 U1.18 U1.27 U1.29 U1.42 U1.44 U1.45 U1.46 U1.60 U3.1 U5.10 U5.11 U6.21 X1.

## Polygon pours and split planes (outlines as drawn)
AGND on Layer 1 "AGND_L02_P001" (solid, pour order 1): 2130,2250 2130,1855 1580,1855 1595,325 400,325 400,2250
AGND on Layer 1 "AGND_L02_P000" (solid, pour order 0): 2200,1800 1650,1800 1650,325 4285,325 4285,2250 2200,2250
AGND on Layer 1 "AGND_L02_P002" (solid, pour order 2): 1547.5,1160 1692.5,1160 1692.5,1190 1547.5,1190
VuC on Layer 2 "VUC_L03_P004" (solid, pour order 4): 2110,2230 2110,1875 1560,1875 1575,345 420,345 420,2230
AVCC on Layer 2 "AVCC_L03_P003" (solid, pour order 3): 4265,2230 2220,2230 2220,1780 1670,1780 1670,345 4265,345
AGND on Top Layer "AGND_L01_P011" (solid, pour order 11): 1547.5,1160 1692.5,1160 1692.5,1190 1547.5,1190
AGND on Top Layer "AGND_L01_P010" (solid, pour order 10): 2130,2250 2130,1855 1580,1855 1595,325 400,325 400,2250
AGND on Top Layer "AGND_L01_P009" (solid, pour order 9): 2200,1800 1650,1800 1650,325 4285,325 4285,2250 2200,2250
AGND on Bottom Layer "AGND_L04_P012" (solid, pour order 12): 2200,1800 1650,1800 1650,325 4285,325 4285,2250 2200,2250
AGND on Bottom Layer "AGND_L04_P014" (solid, pour order 14): 1547.5,1160 1692.5,1160 1692.5,1190 1547.5,1190
AGND on Bottom Layer "AGND_L04_P013" (solid, pour order 13): 2130,2250 2130,1855 1580,1855 1595,325 400,325 400,2250

## Keep-outs
Top Layer:
  region: 1092.5,2257.5 1235,2257.5 1235,1982.5 1195,1982.5 1195,2220 1092.5,2220
  region: 935,2320 1095,2320 1095,2010 935,2010
Layer 1:
  region: 1195,475 1290,475 1290,380 1195,380
  region: 1092.5,2257.5 1235,2257.5 1235,1982.5 1195,1982.5 1195,2220 1092.5,2220
  region: 935,2320 1095,2320 1095,2010 935,2010
Layer 2:
  region: 1097.5,2257.5 1240,2257.5 1240,1982.5 1200,1982.5 1200,2220 1097.5,2220
  region: 935,2320 1095,2320 1095,2010 935,2010
Bottom Layer:
  region: 1092.5,2257.5 1235,2257.5 1235,1982.5 1195,1982.5 1195,2220 1092.5,2220
  region: 935,2320 1095,2320 1095,2010 935,2010

## Silkscreen, mask and mechanical layers (free items; w line width, h text height)
Top Overlay:
  lines w10: 2825,650 2825,1150 ; 2825,1475 2825,1950 ; 3325,650 3325,1150 ; 3325,1450 3325,1950 ; 3825,650 3825,1150 ; 3825,1450 3825,1950
  text "RST" at 1920,1885 h60
  text "UART" at 495,1840 h60
  text "Ch_0" at 2435,1395 h60
  text "Ch_1" at 2935,1395 h60
  text "Ch_2" at 3435,1395 h60
  text "Ch_3" at 3935,1395 h60
  text "Ch_4" at 2435,1145 h60
  text "Ch_5" at 2935,1145 h60
  text "Ch_6" at 3435,1145 h60
  text "Ch_7" at 3935,1145 h60
  text "PBL / Smart / Bracelet" at 1200.07,905 h60
  text "IuC" at 422.5,860 h60
  text "Bat" at 1410,385 h60

## Text inside footprints (layer, text, board x,y; h text height)
J12: Top 3D Body "PCB Edge" at 340,650 h16 r270
X1: Mechanical 1 "PCB Edge / inside this area" at 2195,145 h31.5